# KiCad board LTC6811_ESP32_V2.kicad_pcb (continued)
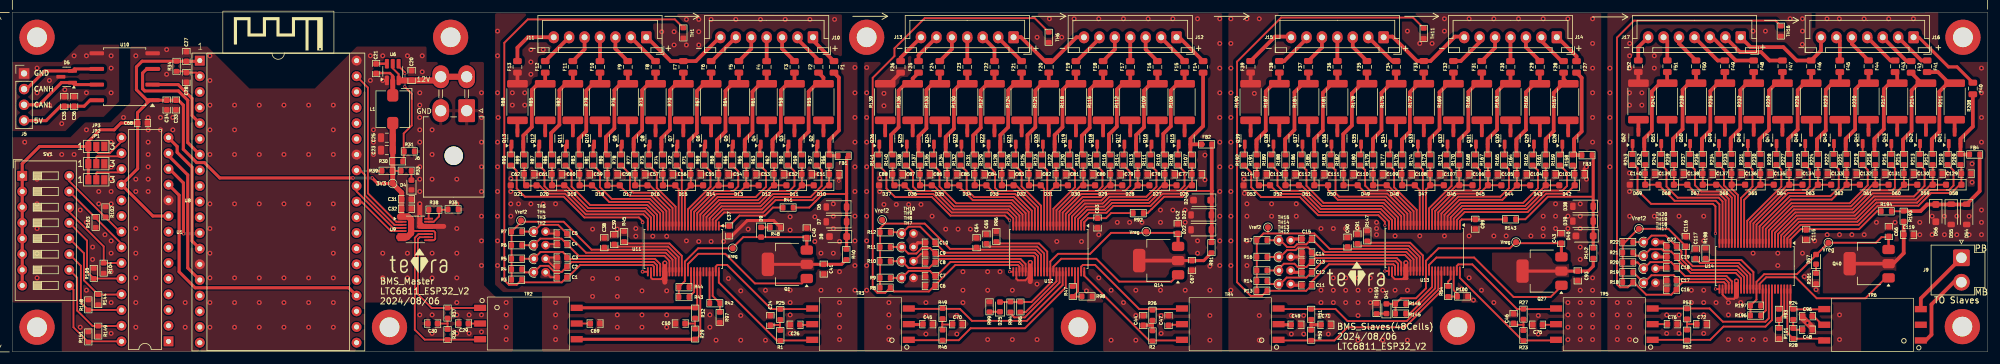
[diagram p0: board, top side]
## Library data of the parts (continued)
U11-U14 = -: Datasheet: https://www.analog.com/media/en/technical-documentation/data-sheets/LTC6811-1-6811-2.pdf; Description: Battery Battery Monitor IC Multi-Chemistry 48-SSOP; MPN: LTC6811HG-1#3ZZPBF; Link: https://www.digikey.jp/en/products/detail/analog-devices-inc/LTC6811HG-1-3ZZPBF/9739208?s=N4IgTCBcDaIDIBUDCA2AHARgwCQOIFoMBiAZgC0yAFAIQDEQBdAXyA; ki_fp_filters: SSOP*5.3x12.8mm*P0.5mm*

## Footprints (pads in the part's own frame, mm; a bottom-side part is the same pattern mirrored in y, then rotated)
C_0603_1608Metric
  rrect 0.9x0.95 smd: 1(-0.775,0) 2(0.775,0)
C_0805_2012Metric
  rrect 1x1.45 smd: 1(-0.95,0) 2(0.95,0)
D_SOD-123
  rrect 0.9x1.2 smd: 1(-1.65,0) 2(1.65,0)
D_SOD-123F
  rrect 1.1x1.1 smd: 1(-1.4,0) 2(1.4,0)
D_SOD-323_HandSoldering
  rrect 1x1 smd: 1(-1.25,0) 2(1.25,0)
DIP-28_W7.62mm
  rect 1.6x1.6 hole 0.8: 1(0,0)
  oval 1.6x1.6 hole 0.8: 2(0,-2.54) 3(0,-5.08) 4(0,-7.62) 5(0,-10.16) 6(0,-12.7) 7(0,-15.24) 8(0,-17.78) 9(0,-20.32) 10(0,-22.86) 11(0,-25.4) 12(0,-27.94) 13(0,-30.48) 14(0,-33.02) 15(7.62,-33.02) 16(7.62,-30.48) 17(7.62,-27.94) 18(7.62,-25.4) 19(7.62,-22.86) 20(7.62,-20.32) 21(7.62,-17.78) 22(7.62,-15.24) 23(7.62,-12.7) 24(7.62,-10.16) 25(7.62,-7.62) 26(7.62,-5.08) 27(7.62,-2.54) 28(7.62,0)
ESP32-DevKitc V4_DIP-38_27.9mm×48.2mm
  rect 1.6x1.6 hole 0.8: 1(1.27,46.99)
  oval 1.6x1.6 hole 0.8: 2(1.27,44.45) 3(1.27,41.91) 4(1.27,39.37) 5(1.27,36.83) 6(1.27,34.29) 7(1.27,31.75) 8(1.27,29.21) 9(1.27,26.67) 10(1.27,24.13) 11(1.27,21.59) 12(1.27,19.05) 13(1.27,16.51) 14(1.27,13.97) 15(1.27,11.43) 16(1.27,8.89) 17(1.27,6.35) 18(1.27,3.81) 19(1.27,1.27) 20(26.67,1.27) 21(26.67,3.81) 22(26.67,6.35) 23(26.67,8.89) 24(26.67,11.43) 25(26.67,13.97) 26(26.67,16.51) 27(26.67,19.05) 28(26.67,21.59) 29(26.67,24.13) 30(26.67,26.67) 31(26.67,29.21) 32(26.67,31.75) 33(26.67,34.29) 34(26.67,36.83) 35(26.67,39.37) 36(26.67,41.91) 37(26.67,44.45) 38(26.67,46.99)
Fuse_0805_2012Metric
  rrect 0.975x1.4 smd: 1(-0.938,0) 2(0.938,0)
HM2108NL
  rect 1.02x1.95 smd: 1(-2.54,-7.82) 2(0,-7.82) 3(2.54,-7.82) 4(2.54,7.82) 5(0,7.82) 6(-2.54,7.82)
JST_VH_B2P-VH-B_1x02_P3.96mm_Vertical
  rrect 2.7x2.7 hole 1.7: 1(0,0)
  round 2.7 hole 1.7: 2(3.96,0)
JST_XH_B7B-XH-A_1x07_P2.50mm_Vertical_BAT_6S
  oval 1.7x1.95 hole 0.95: 0(15,0) 1(12.5,0) 2(10,0) 3(7.5,0) 4(5,0) 5(2.5,0)
  rrect 1.7x1.95 hole 0.95: 6(0,0)
L_Bourns_SRP5030T
  rrect 2x1.8 smd: 1(-2.25,0) 2(2.25,0)
LED_0603_1608Metric
  rrect 0.875x0.95 smd: 1(-0.787,0) 2(0.787,0)
Molex_Mini-Fit_Jr_5569-04A2_2x02_P4.20mm_Horizontal
  round 3 hole 3 unplated: (2.1,7.3)
  rrect 2.7x3.7 hole 1.8: 1(0,0)
  oval 2.7x3.7 hole 1.8: 2(4.2,0) 3(0,-5.5) 4(4.2,-5.5)
MountingHole_3.2mm_M3_ISO7380_Pad
  round 5.7 hole 3.2: 1(0,0)
MSOP-16_3x4mm_P0.5mm
  rrect 1.45x0.3 smd: 1(-2.15,1.75) 2(-2.15,1.25) 3(-2.15,0.75) 4(-2.15,0.25) 5(-2.15,-0.25) 6(-2.15,-0.75) 7(-2.15,-1.25) 8(-2.15,-1.75) 9(2.15,-1.75) 10(2.15,-1.25) 11(2.15,-0.75) 12(2.15,-0.25) 13(2.15,0.25) 14(2.15,0.75) 15(2.15,1.25) 16(2.15,1.75)
PinHeader_1x04_P2.54mm_Vertical
  rect 1.7x1.7 hole 1: 1(0,0)
  oval 1.7x1.7 hole 1: 2(0,-2.54) 3(0,-5.08) 4(0,-7.62)
R_0603_1608Metric
  rrect 0.8x0.95 smd: 1(-0.825,0) 2(0.825,0)
R_2512_6332Metric
  rrect 1.225x3.35 smd: 1(-2.962,0) 2(2.962,0)
R_Axial_DIN0204_L3.6mm_D1.6mm_P1.90mm_Vertical
  round 1.4 hole 0.7: 1(0,0)
  oval 1.4x1.4 hole 0.7: 2(1.9,0)
SolderJumper-3_P1.3mm_Open_Pad1.0x1.5mm_NumberLabels
  rect 1x1.5 smd: 1(-1.3,0) 2(0,0) 3(1.3,0)
SOP-8_6.62x9.15mm_P2.54mm
  rrect 2.35x0.65 smd: 1(-4.525,3.81) 2(-4.525,1.27) 3(-4.525,-1.27) 4(-4.525,-3.81) 5(4.525,-3.81) 6(4.525,-1.27) 7(4.525,1.27) 8(4.525,3.81)
SOT-23
  rrect 1.475x0.6 smd: 1(-0.938,0.95) 2(-0.938,-0.95) 3(0.938,0)
SOT-23-6_Handsoldering
  rrect 1.56x0.65 smd: 1(-1.35,0.95) 2(-1.35,0) 3(-1.35,-0.95) 4(1.35,-0.95) 5(1.35,0) 6(1.35,0.95)
SOT-223
  rrect 2x1.5 smd: 1(-3.15,2.3) 2(-3.15,0) 3(-3.15,-2.3)
  rrect 2x3.8 smd: 4(3.15,0)
SW_DIP_SPSTx08_Slide_9.78x22.5mm_W7.62mm_P2.54mm
  rect 1.6x1.6 hole 0.8: 1(0,0)
  oval 1.6x1.6 hole 0.8: 2(0,-2.54) 3(0,-5.08) 4(0,-7.62) 5(0,-10.16) 6(0,-12.7) 7(0,-15.24) 8(0,-17.78) 9(7.62,-17.78) 10(7.62,-15.24) 11(7.62,-12.7) 12(7.62,-10.16) 13(7.62,-7.62) 14(7.62,-5.08) 15(7.62,-2.54) 16(7.62,0)
TestPoint_Pad_D1.0mm
  round 1 smd: 1(0,0)
TSSOP-48_6.1x12.5mm_P0.5mm
  rrect 1.475x0.3 smd: 1(-3.712,5.75) 2(-3.712,5.25) 3(-3.712,4.75) 4(-3.712,4.25) 5(-3.712,3.75) 6(-3.712,3.25) 7(-3.712,2.75) 8(-3.712,2.25) 9(-3.712,1.75) 10(-3.712,1.25) 11(-3.712,0.75) 12(-3.712,0.25) 13(-3.712,-0.25) 14(-3.712,-0.75) 15(-3.712,-1.25) 16(-3.712,-1.75) 17(-3.712,-2.25) 18(-3.712,-2.75) 19(-3.712,-3.25) 20(-3.712,-3.75) 21(-3.712,-4.25) 22(-3.712,-4.75) 23(-3.712,-5.25) 24(-3.712,-5.75) 25(3.712,-5.75) 26(3.712,-5.25) 27(3.712,-4.75) 28(3.712,-4.25) 29(3.712,-3.75) 30(3.712,-3.25) 31(3.712,-2.75) 32(3.712,-2.25) 33(3.712,-1.75) 34(3.712,-1.25) 35(3.712,-0.75) 36(3.712,-0.25) 37(3.712,0.25) 38(3.712,0.75) 39(3.712,1.25) 40(3.712,1.75) 41(3.712,2.25) 42(3.712,2.75) 43(3.712,3.25) 44(3.712,3.75) 45(3.712,4.25) 46(3.712,4.75) 47(3.712,5.25) 48(3.712,5.75)

## Nets
+3V3: C23.1 C25.1 C27.2 C31.2 C32.1 C33.1 C34.1 C68.2 JP1.1 JP2.1 JP3.1 L1.2 R30.2 R33.2 R34.1 R39.1 SW1.1 SW1.2 SW1.3 SW1.4 SW1.5 SW1.6 SW1.7 SW1.8 TP2.1 U1.9 U1.18 U8.1 U9.1 U9.6 U9.7 U9.8 U9.9 U9.12 U10.1
/CAN/5V_CAN: C35.1 C36.2 J5.4 U10.8
/MCU/5V: U8.19
/PowerSupply/+12V: C20.1 J6.3 J6.4 U6.3 U6.5
GND: C20.2 C23.2 C25.2 C27.1 C28.1 C29.2 C30.1 C31.1 C32.2 C33.2 C34.2 C68.1 D4.1 J6.1 J6.2 JP1.3 JP2.3 JP3.3 R31.2 R35.1 R102.1 R103.1 R104.1 R105.1 R144.1 R148.1 R149.1 R151.1 U1.10 U6.1 U8.14 U8.32 U8.38 U9.13 U9.14 U10.4
GND_PACK: C1.2 C2.2 C3.2 C4.2 C5.2 C6.2 C7.2 C8.2 C9.2 C10.2 C11.2 C12.2 C13.2 C14.2 C15.2 C16.2 C17.2 C18.2 C19.2 C22.2 C24.2 C26.2 C37.2 C38.2 C39.2 C40.2 C41.2 C42.2 C43.2 C44.2 C45.2 C46.2 C47.2 C48.2 C49.2 C50.2 C51.2 C52.2 C53.2 C54.2 C55.2 C56.2 C57.2 C58.2 C59.2 C60.2 C61.2 C62.2 C63.2 C64.2 C65.2 C66.2 C67.2 C69.1 C70.2 C71.2 C72.2 C75.2 C76.2 C77.2 C78.2 C79.2 C80.2 C81.2 C82.2 C83.2 C84.2 C85.2 C86.2 C87.2 C88.2 C89.2 C90.2 C91.2 C93.2 C96.2 C103.2 C104.2 C105.2 C106.2 C107.2 C108.2 C109.2 C110.2 C111.2 C112.2 C113.2 C114.2 C115.2 C116.2 C117.2 C119.2 C129.2 C130.2 C131.2 C132.2 C133.2 C134.2 C135.2 C136.2 C137.2 C138.2 C139.2 C140.2 D6.2 D7.2 D8.2 D21.2 D22.2 D23.2 D24.2 D37.2 D38.2 D39.2 D40.2 D53.2 D54.2 D55.2 D56.2 D69.2 F13.2 F26.2 F39.2 F52.2 R45.2 R48.2 R88.1 R96.2 R97.2 R98.2 R99.2 R100.2 R101.2 R139.1 R147.2 R150.2 R190.1 R198.2 R201.2 R241.1 TH1.2 TH2.2 TH3.2 TH4.2 TH5.2 TH6.2 TH7.2 TH8.2 TH9.2 TH10.2 TH11.2 TH12.2 TH13.2 TH14.2 TH15.2 TH16.2 TH17.2 TH18.2 TH19.2 TH20.2 U11.26 U11.30 U11.31 U12.26 U12.30 U12.31 U13.26 U13.30 U13.31 U14.26 U14.30 U14.31
/CAN/CAN_GND: C35.2 C36.1 D5.3 J5.1 U10.5
/CAN/CANH: D5.2 J5.2 U10.6
/CAN/CANL: D5.1 J5.3 U10.7
/CAN/RXD: U8.5 U10.2
/CAN/TXD: U8.7 U10.3
/MCU/HSPI_CS: U1.11 U8.23
/MCU/HSPI_MISO: U1.14 U8.13
/MCU/HSPI_MOSI: U1.13 U8.15
/MCU/HSPI_SCK: U1.12 U8.12
/MCU/IM: R37.1 TR2.1 U9.10
/MCU/INTA: U1.20
/MCU/INTB: U1.19
/MCU/IP: R36.2 TR2.3 U9.11
/MCU/NRST: C28.2 R34.2 U8.2
/MCU/VSPI_CS: U8.29 U9.5
/MCU/VSPI_MISO: R39.2 U8.31 U9.3
/MCU/VSPI_MOSI: U8.37 U9.2
/MCU/VSPI_SCK: U8.30 U9.4
/Slaves/LTC6811_1/BAT+: D6.1 D7.1 D8.1 FB1.1 R40.1 R41.1
/Slaves/LTC6811_1/C1: F12.1 J11.1
/Slaves/LTC6811_1/C1_G: F13.1 J11.0
/Slaves/LTC6811_1/C2: F11.1 J11.2
/Slaves/LTC6811_1/C3: F10.1 J11.3
/Slaves/LTC6811_1/C4: F9.1 J11.4
/Slaves/LTC6811_1/C5: F8.1 J11.5
/Slaves/LTC6811_1/C6: F7.1 J10.0 J11.6
/Slaves/LTC6811_1/C7: F6.1 J10.1
/Slaves/LTC6811_1/C8: F5.1 J10.2
/Slaves/LTC6811_1/C9: F4.1 J10.3
/Slaves/LTC6811_1/C10: F3.1 J10.4
/Slaves/LTC6811_1/C11: F2.1 J10.5
/Slaves/LTC6811_1/C12: F1.1 J10.6
/Slaves/LTC6811_1/cell1/C: C62.1 D20.2 D21.1 R89.1 U11.24
/Slaves/LTC6811_1/cell1/C+: F12.2 Q13.2 R85.1 R89.2
/Slaves/LTC6811_1/cell1/S: R90.1 U11.25
/Slaves/LTC6811_1/cell2/C: C61.1 D19.2 D20.1 R86.1 U11.22
/Slaves/LTC6811_1/cell2/C+: F11.2 Q12.2 R82.1 R86.2
/Slaves/LTC6811_1/cell2/S: R87.1 U11.23
/Slaves/LTC6811_1/cell3/C: C60.1 D18.2 D19.1 R83.1 U11.20
/Slaves/LTC6811_1/cell3/C+: F10.2 Q11.2 R79.1 R83.2
/Slaves/LTC6811_1/cell3/S: R84.1 U11.21
/Slaves/LTC6811_1/cell4/C: C59.1 D17.2 D18.1 R80.1 U11.18
/Slaves/LTC6811_1/cell4/C+: F9.2 Q10.2 R76.1 R80.2
/Slaves/LTC6811_1/cell4/S: R81.1 U11.19
/Slaves/LTC6811_1/cell5/C: C58.1 D16.2 D17.1 R77.1 U11.16
/Slaves/LTC6811_1/cell5/C+: F8.2 Q9.2 R73.1 R77.2
/Slaves/LTC6811_1/cell5/S: R78.1 U11.17
/Slaves/LTC6811_1/cell6/C: C57.1 D15.2 D16.1 R74.1 U11.14
/Slaves/LTC6811_1/cell6/C+: F7.2 Q8.2 R70.1 R74.2
/Slaves/LTC6811_1/cell6/S: R75.1 U11.15
/Slaves/LTC6811_1/cell7/C: C56.1 D14.2 D15.1 R71.1 U11.12
/Slaves/LTC6811_1/cell7/C+: F6.2 Q7.2 R67.1 R71.2
/Slaves/LTC6811_1/cell7/S: R72.1 U11.13
/Slaves/LTC6811_1/cell8/C: C55.1 D13.2 D14.1 R68.1 U11.10
/Slaves/LTC6811_1/cell8/C+: F5.2 Q6.2 R64.1 R68.2
/Slaves/LTC6811_1/cell8/S: R69.1 U11.11
/Slaves/LTC6811_1/cell9/S: R66.1 U11.9
/Slaves/LTC6811_1/cell10/C: C53.1 D11.2 D12.1 R62.1 U11.6
/Slaves/LTC6811_1/cell10/C+: F3.2 Q4.2 R58.1 R62.2
/Slaves/LTC6811_1/cell10/C-: F4.2 Q5.2 R61.1 R65.2
/Slaves/LTC6811_1/cell10/CM: C54.1 D12.2 D13.1 R65.1 U11.8
/Slaves/LTC6811_1/cell10/S: R63.1 U11.7
/Slaves/LTC6811_1/cell11/C: C52.1 D10.2 D11.1 R59.1 U11.4
/Slaves/LTC6811_1/cell11/C+: F2.2 Q3.2 R55.1 R59.2
/Slaves/LTC6811_1/cell11/S: R60.1 U11.5
/Slaves/LTC6811_1/cell12/C: C51.1 D10.1 R56.1 U11.2
/Slaves/LTC6811_1/cell12/C+: F1.2 FB1.2 Q2.2 R56.2
/Slaves/LTC6811_1/cell12/S: R57.1 U11.3
/Slaves/LTC6811_1/DRIVE: Q1.1 U11.38
/Slaves/LTC6811_1/IMA: R32.1 TR2.6 U11.41
/Slaves/LTC6811_1/IMB: R25.1 TR3.4 U11.47
/Slaves/LTC6811_1/IPA: R29.2 TR2.4 U11.42
/Slaves/LTC6811_1/IPB: R1.2 TR3.6 U11.48
/Slaves/LTC6811_1/T1: C1.1 R3.2 TH1.1 U11.27
/Slaves/LTC6811_1/T2: C2.1 R4.1 TH2.1 U11.28
/Slaves/LTC6811_1/T3: C3.1 R5.1 TH3.1 U11.29
/Slaves/LTC6811_1/T4: C4.1 R6.1 TH4.1 U11.32
/Slaves/LTC6811_1/T5: C5.1 R7.1 TH5.1 U11.33
/Slaves/LTC6811_1/Vref2: C38.1 R3.1 R4.2 R5.2 R6.2 R7.2 TP4.1 U11.34
/Slaves/LTC6811_1/Vreg: C40.1 D9.2 Q1.3 R43.2 R44.2 TP3.1 U11.37
/Slaves/LTC6811_2/BAT+: D22.1 D23.1 D24.1 FB2.1 R91.1 R92.1
/Slaves/LTC6811_2/C1: F25.1 J13.1
/Slaves/LTC6811_2/C1_G: F26.1 J13.0
/Slaves/LTC6811_2/C2: F24.1 J13.2
/Slaves/LTC6811_2/C3: F23.1 J13.3
/Slaves/LTC6811_2/C4: F22.1 J13.4
/Slaves/LTC6811_2/C5: F21.1 J13.5
/Slaves/LTC6811_2/C6: F20.1 J12.0 J13.6
/Slaves/LTC6811_2/C7: F19.1 J12.1
/Slaves/LTC6811_2/C8: F18.1 J12.2
/Slaves/LTC6811_2/C9: F17.1 J12.3
/Slaves/LTC6811_2/C10: F16.1 J12.4
/Slaves/LTC6811_2/C11: F15.1 J12.5
/Slaves/LTC6811_2/C12: F14.1 J12.6
/Slaves/LTC6811_2/cell1/C: C88.1 D36.2 D37.1 R140.1 U12.24
/Slaves/LTC6811_2/cell1/C+: F25.2 Q26.2 R136.1 R140.2
/Slaves/LTC6811_2/cell1/S: R141.1 U12.25
/Slaves/LTC6811_2/cell2/C: C87.1 D35.2 D36.1 R137.1 U12.22
/Slaves/LTC6811_2/cell2/C+: F24.2 Q25.2 R133.1 R137.2
/Slaves/LTC6811_2/cell2/S: R138.1 U12.23
/Slaves/LTC6811_2/cell3/C: C86.1 D34.2 D35.1 R134.1 U12.20
/Slaves/LTC6811_2/cell3/C+: F23.2 Q24.2 R130.1 R134.2
/Slaves/LTC6811_2/cell3/S: R135.1 U12.21
/Slaves/LTC6811_2/cell4/C: C85.1 D33.2 D34.1 R131.1 U12.18
/Slaves/LTC6811_2/cell4/C+: F22.2 Q23.2 R127.1 R131.2
/Slaves/LTC6811_2/cell4/S: R132.1 U12.19
/Slaves/LTC6811_2/cell5/C: C84.1 D32.2 D33.1 R128.1 U12.16
/Slaves/LTC6811_2/cell5/C+: F21.2 Q22.2 R124.1 R128.2
/Slaves/LTC6811_2/cell5/S: R129.1 U12.17
/Slaves/LTC6811_2/cell6/C: C83.1 D31.2 D32.1 R125.1 U12.14
/Slaves/LTC6811_2/cell6/C+: F20.2 Q21.2 R121.1 R125.2
/Slaves/LTC6811_2/cell6/S: R126.1 U12.15
/Slaves/LTC6811_2/cell7/C: C82.1 D30.2 D31.1 R122.1 U12.12
/Slaves/LTC6811_2/cell7/C+: F19.2 Q20.2 R118.1 R122.2
/Slaves/LTC6811_2/cell7/S: R123.1 U12.13
/Slaves/LTC6811_2/cell8/C: C81.1 D29.2 D30.1 R119.1 U12.10
/Slaves/LTC6811_2/cell8/C+: F18.2 Q19.2 R115.1 R119.2
/Slaves/LTC6811_2/cell8/S: R120.1 U12.11
/Slaves/LTC6811_2/cell9/S: R117.1 U12.9
/Slaves/LTC6811_2/cell10/C: C79.1 D27.2 D28.1 R113.1 U12.6
/Slaves/LTC6811_2/cell10/C+: F16.2 Q17.2 R109.1 R113.2
/Slaves/LTC6811_2/cell10/C-: F17.2 Q18.2 R112.1 R116.2
/Slaves/LTC6811_2/cell10/CM: C80.1 D28.2 D29.1 R116.1 U12.8
/Slaves/LTC6811_2/cell10/S: R114.1 U12.7
/Slaves/LTC6811_2/cell11/C: C78.1 D26.2 D27.1 R110.1 U12.4
/Slaves/LTC6811_2/cell11/C+: F15.2 Q16.2 R106.1 R110.2
/Slaves/LTC6811_2/cell11/S: R111.1 U12.5
/Slaves/LTC6811_2/cell12/C: C77.1 D26.1 R107.1 U12.2
/Slaves/LTC6811_2/cell12/C+: F14.2 FB2.2 Q15.2 R107.2
/Slaves/LTC6811_2/cell12/S: R108.1 U12.3
/Slaves/LTC6811_2/DRIVE: Q14.1 U12.38
/Slaves/LTC6811_2/IMA: R49.1 TR3.3 U12.41
/Slaves/LTC6811_2/IMB: R26.1 TR4.4 U12.47
/Slaves/LTC6811_2/IPA: R46.2 TR3.1 U12.42
/Slaves/LTC6811_2/IPB: R2.2 TR4.6 U12.48
/Slaves/LTC6811_2/T1: C6.1 R8.2 TH6.1 U12.27
/Slaves/LTC6811_2/T2: C7.1 R9.1 TH7.1 U12.28
/Slaves/LTC6811_2/T3: C8.1 R10.1 TH8.1 U12.29
/Slaves/LTC6811_2/T4: C9.1 R11.1 TH9.1 U12.32
/Slaves/LTC6811_2/T5: C10.1 R12.1 TH10.1 U12.33
/Slaves/LTC6811_2/Vref2: C64.1 R8.1 R9.2 R10.2 R11.2 R12.2 TP6.1 U12.34
/Slaves/LTC6811_2/Vreg: C42.1 D25.2 Q14.3 R94.2 R95.2 TP5.1 U12.37
/Slaves/LTC6811_3/BAT+: D38.1 D39.1 D40.1 FB3.1 R142.1 R143.1
/Slaves/LTC6811_3/C1: F38.1 J15.1
/Slaves/LTC6811_3/C1_G: F39.1 J15.0
/Slaves/LTC6811_3/C2: F37.1 J15.2
/Slaves/LTC6811_3/C3: F36.1 J15.3
/Slaves/LTC6811_3/C4: F35.1 J15.4
/Slaves/LTC6811_3/C5: F34.1 J15.5
/Slaves/LTC6811_3/C6: F33.1 J14.0 J15.6
/Slaves/LTC6811_3/C7: F32.1 J14.1
/Slaves/LTC6811_3/C8: F31.1 J14.2
/Slaves/LTC6811_3/C9: F30.1 J14.3
/Slaves/LTC6811_3/C10: F29.1 J14.4
/Slaves/LTC6811_3/C11: F28.1 J14.5
/Slaves/LTC6811_3/C12: F27.1 J14.6
/Slaves/LTC6811_3/cell1/C: C114.1 D52.2 D53.1 R191.1 U13.24
/Slaves/LTC6811_3/cell1/C+: F38.2 Q39.2 R187.1 R191.2
/Slaves/LTC6811_3/cell1/S: R192.1 U13.25
/Slaves/LTC6811_3/cell2/C: C113.1 D51.2 D52.1 R188.1 U13.22
/Slaves/LTC6811_3/cell2/C+: F37.2 Q38.2 R184.1 R188.2
/Slaves/LTC6811_3/cell2/S: R189.1 U13.23
/Slaves/LTC6811_3/cell3/C: C112.1 D50.2 D51.1 R185.1 U13.20
/Slaves/LTC6811_3/cell3/C+: F36.2 Q37.2 R181.1 R185.2
/Slaves/LTC6811_3/cell3/S: R186.1 U13.21
/Slaves/LTC6811_3/cell4/C: C111.1 D49.2 D50.1 R182.1 U13.18
/Slaves/LTC6811_3/cell4/C+: F35.2 Q36.2 R178.1 R182.2
/Slaves/LTC6811_3/cell4/S: R183.1 U13.19
/Slaves/LTC6811_3/cell5/C: C110.1 D48.2 D49.1 R179.1 U13.16
/Slaves/LTC6811_3/cell5/C+: F34.2 Q35.2 R175.1 R179.2
/Slaves/LTC6811_3/cell5/S: R180.1 U13.17
/Slaves/LTC6811_3/cell6/C: C109.1 D47.2 D48.1 R176.1 U13.14
/Slaves/LTC6811_3/cell6/C+: F33.2 Q34.2 R172.1 R176.2
/Slaves/LTC6811_3/cell6/S: R177.1 U13.15
/Slaves/LTC6811_3/cell7/C: C108.1 D46.2 D47.1 R173.1 U13.12
/Slaves/LTC6811_3/cell7/C+: F32.2 Q33.2 R169.1 R173.2
/Slaves/LTC6811_3/cell7/S: R174.1 U13.13
/Slaves/LTC6811_3/cell8/C: C107.1 D45.2 D46.1 R170.1 U13.10
/Slaves/LTC6811_3/cell8/C+: F31.2 Q32.2 R166.1 R170.2
/Slaves/LTC6811_3/cell8/S: R171.1 U13.11
/Slaves/LTC6811_3/cell9/S: R168.1 U13.9
/Slaves/LTC6811_3/cell10/C: C105.1 D43.2 D44.1 R164.1 U13.6
/Slaves/LTC6811_3/cell10/C+: F29.2 Q30.2 R160.1 R164.2
/Slaves/LTC6811_3/cell10/C-: F30.2 Q31.2 R163.1 R167.2
/Slaves/LTC6811_3/cell10/CM: C106.1 D44.2 D45.1 R167.1 U13.8
/Slaves/LTC6811_3/cell10/S: R165.1 U13.7
/Slaves/LTC6811_3/cell11/C: C104.1 D42.2 D43.1 R161.1 U13.4
/Slaves/LTC6811_3/cell11/C+: F28.2 Q29.2 R157.1 R161.2
/Slaves/LTC6811_3/cell11/S: R162.1 U13.5
/Slaves/LTC6811_3/cell12/C: C103.1 D42.1 R158.1 U13.2
/Slaves/LTC6811_3/cell12/C+: F27.2 FB3.2 Q28.2 R158.2
/Slaves/LTC6811_3/cell12/S: R159.1 U13.3
/Slaves/LTC6811_3/DRIVE: Q27.1 U13.38
/Slaves/LTC6811_3/IMA: R51.1 TR4.3 U13.41
/Slaves/LTC6811_3/IMB: R27.1 TR5.4 U13.47
/Slaves/LTC6811_3/IPA: R50.2 TR4.1 U13.42
/Slaves/LTC6811_3/IPB: R23.2 TR5.6 U13.48
/Slaves/LTC6811_3/T1: C11.1 R13.2 TH11.1 U13.27
/Slaves/LTC6811_3/T2: C12.1 R14.1 TH12.1 U13.28
/Slaves/LTC6811_3/T3: C13.1 R15.1 TH13.1 U13.29
/Slaves/LTC6811_3/T4: C14.1 R16.1 TH14.1 U13.32
/Slaves/LTC6811_3/T5: C15.1 R17.1 TH15.1 U13.33
/Slaves/LTC6811_3/Vref2: C90.1 R13.1 R14.2 R15.2 R16.2 R17.2 TP8.1 U13.34
/Slaves/LTC6811_3/Vreg: C43.1 D41.2 Q27.3 R145.2 R146.2 TP7.1 U13.37
/Slaves/LTC6811_4/BAT+: D54.1 D55.1 D56.1 FB4.1 R193.1 R194.1
/Slaves/LTC6811_4/C1: F51.1 J17.1
/Slaves/LTC6811_4/C1_G: F52.1 J17.0
/Slaves/LTC6811_4/C2: F50.1 J17.2
/Slaves/LTC6811_4/C3: F49.1 J17.3
/Slaves/LTC6811_4/C4: F48.1 J17.4
/Slaves/LTC6811_4/C5: F47.1 J17.5
/Slaves/LTC6811_4/C6: F46.1 J16.0 J17.6
/Slaves/LTC6811_4/C7: F45.1 J16.1
/Slaves/LTC6811_4/C8: F44.1 J16.2
/Slaves/LTC6811_4/C9: F43.1 J16.3
/Slaves/LTC6811_4/C10: F42.1 J16.4
/Slaves/LTC6811_4/C11: F41.1 J16.5
/Slaves/LTC6811_4/C12: F40.1 J16.6
/Slaves/LTC6811_4/cell1/C: C140.1 D68.2 D69.1 R242.1 U14.24
/Slaves/LTC6811_4/cell1/C+: F51.2 Q52.2 R238.1 R242.2
/Slaves/LTC6811_4/cell1/S: R243.1 U14.25
/Slaves/LTC6811_4/cell2/C: C139.1 D67.2 D68.1 R239.1 U14.22
/Slaves/LTC6811_4/cell2/C+: F50.2 Q51.2 R235.1 R239.2
/Slaves/LTC6811_4/cell2/S: R240.1 U14.23
/Slaves/LTC6811_4/cell3/C: C138.1 D66.2 D67.1 R236.1 U14.20
/Slaves/LTC6811_4/cell3/C+: F49.2 Q50.2 R232.1 R236.2
/Slaves/LTC6811_4/cell3/S: R237.1 U14.21
/Slaves/LTC6811_4/cell4/C: C137.1 D65.2 D66.1 R233.1 U14.18
/Slaves/LTC6811_4/cell4/C+: F48.2 Q49.2 R229.1 R233.2
/Slaves/LTC6811_4/cell4/S: R234.1 U14.19
/Slaves/LTC6811_4/cell5/C: C136.1 D64.2 D65.1 R230.1 U14.16
/Slaves/LTC6811_4/cell5/C+: F47.2 Q48.2 R226.1 R230.2
/Slaves/LTC6811_4/cell5/S: R231.1 U14.17
/Slaves/LTC6811_4/cell6/C: C135.1 D63.2 D64.1 R227.1 U14.14
/Slaves/LTC6811_4/cell6/C+: F46.2 Q47.2 R223.1 R227.2
/Slaves/LTC6811_4/cell6/S: R228.1 U14.15
/Slaves/LTC6811_4/cell7/C: C134.1 D62.2 D63.1 R224.1 U14.12
/Slaves/LTC6811_4/cell7/C+: F45.2 Q46.2 R220.1 R224.2
/Slaves/LTC6811_4/cell7/S: R225.1 U14.13
/Slaves/LTC6811_4/cell8/C: C133.1 D61.2 D62.1 R221.1 U14.10
/Slaves/LTC6811_4/cell8/C+: F44.2 Q45.2 R217.1 R221.2
/Slaves/LTC6811_4/cell8/S: R222.1 U14.11
/Slaves/LTC6811_4/cell9/S: R219.1 U14.9
/Slaves/LTC6811_4/cell10/C: C131.1 D59.2 D60.1 R215.1 U14.6
/Slaves/LTC6811_4/cell10/C+: F42.2 Q43.2 R211.1 R215.2
/Slaves/LTC6811_4/cell10/C-: F43.2 Q44.2 R214.1 R218.2
/Slaves/LTC6811_4/cell10/CM: C132.1 D60.2 D61.1 R218.1 U14.8
/Slaves/LTC6811_4/cell10/S: R216.1 U14.7
/Slaves/LTC6811_4/cell11/C: C130.1 D58.2 D59.1 R212.1 U14.4
/Slaves/LTC6811_4/cell11/C+: F41.2 Q42.2 R208.1 R212.2
/Slaves/LTC6811_4/cell11/S: R213.1 U14.5
/Slaves/LTC6811_4/cell12/C: C129.1 D58.1 R209.1 U14.2
/Slaves/LTC6811_4/cell12/C+: F40.2 FB4.2 Q41.2 R209.2
/Slaves/LTC6811_4/cell12/S: R210.1 U14.3
/Slaves/LTC6811_4/DRIVE: Q40.1 U14.38
/Slaves/LTC6811_4/IMA: R53.1 TR5.3 U14.41
/Slaves/LTC6811_4/IMB: R28.1 TR6.6 U14.47
/Slaves/LTC6811_4/IPA: R52.2 TR5.1 U14.42
/Slaves/LTC6811_4/IPB: R24.2 TR6.4 U14.48
/Slaves/LTC6811_4/T1: C16.1 R18.2 TH16.1 U14.27
/Slaves/LTC6811_4/T2: C17.1 R19.1 TH17.1 U14.28
/Slaves/LTC6811_4/T3: C18.1 R20.1 TH18.1 U14.29
/Slaves/LTC6811_4/T4: C19.1 R21.1 TH19.1 U14.32
/Slaves/LTC6811_4/T5: C22.1 R22.1 TH20.1 U14.33
/Slaves/LTC6811_4/Vref2: C116.1 R18.1 R19.2 R20.2 R21.2 R22.2 TP10.1 U14.34
/Slaves/LTC6811_4/Vreg: C66.1 D57.2 Q40.3 R196.2 R197.2 TP9.1 U14.37
/Slaves/MB: J9.2 TR6.1
/Slaves/PB: J9.1 TR6.3
Net-(C24-Pad1): C24.1 R1.1 R25.2
Net-(C26-Pad1): C26.1 TR3.5
Net-(C29-Pad1): C29.1 TR2.2
Net-(C30-Pad2): C30.2 R36.1 R37.2
Net-(C41-Pad1): C41.1 Q1.2 Q1.4 R40.2
Net-(C44-Pad1): C44.1 R2.1 R26.2
Net-(C45-Pad1): C45.1 TR3.2
Net-(C46-Pad1): C46.1 R23.1 R27.2
Net-(C47-Pad1): C47.1 TR4.5
Net-(C48-Pad1): C48.1 R24.1 R28.2
Net-(C49-Pad1): C49.1 TR4.2
Net-(C50-Pad1): C50.1 R29.1 R32.2
Net-(C67-Pad1): C67.1 Q14.2 Q14.4 R91.2
Net-(C69-Pad2): C69.2 TR2.5
Net-(C70-Pad1): C70.1 R46.1 R49.2
Net-(C71-Pad1): C71.1 R50.1 R51.2
Net-(C72-Pad1): C72.1 R52.1 R53.2
Net-(C75-Pad1): C75.1 TR5.5
Net-(C76-Pad1): C76.1 TR5.2
Net-(C93-Pad1): C93.1 Q27.2 Q27.4 R142.2
Net-(C96-Pad1): C96.1 TR6.5
Net-(C119-Pad1): C119.1 Q40.2 Q40.4 R193.2
Net-(D4-A): D4.2 R33.1
Net-(D9-K): D9.1 R48.1
Net-(D25-K): D25.1 R99.1
Net-(D41-K): D41.1 R150.1
Net-(D57-K): D57.1 R201.1
Net-(JP1-C): JP1.2 U1.17
Net-(JP2-C): JP2.2 U1.16
Net-(JP3-C): JP3.2 U1.15
Net-(Q2-D): Q2.3 R55.2
Net-(Q2-G): Q2.1 R57.2
Net-(Q3-D): Q3.3 R58.2
Net-(Q3-G): Q3.1 R60.2
Net-(Q4-D): Q4.3 R61.2
Net-(Q4-G): Q4.1 R63.2
Net-(Q5-D): Q5.3 R64.2
Net-(Q5-G): Q5.1 R66.2
Net-(Q6-D): Q6.3 R67.2
Net-(Q6-G): Q6.1 R69.2
Net-(Q7-D): Q7.3 R70.2
Net-(Q7-G): Q7.1 R72.2
Net-(Q8-D): Q8.3 R73.2
Net-(Q8-G): Q8.1 R75.2
Net-(Q9-D): Q9.3 R76.2
Net-(Q9-G): Q9.1 R78.2
Net-(Q10-D): Q10.3 R79.2
Net-(Q10-G): Q10.1 R81.2
Net-(Q11-D): Q11.3 R82.2
Net-(Q11-G): Q11.1 R84.2
Net-(Q12-D): Q12.3 R85.2
Net-(Q12-G): Q12.1 R87.2
Net-(Q13-D): Q13.3 R88.2
Net-(Q13-G): Q13.1 R90.2
Net-(Q15-D): Q15.3 R106.2
Net-(Q15-G): Q15.1 R108.2
Net-(Q16-D): Q16.3 R109.2
Net-(Q16-G): Q16.1 R111.2
Net-(Q17-D): Q17.3 R112.2
Net-(Q17-G): Q17.1 R114.2
Net-(Q18-D): Q18.3 R115.2
Net-(Q18-G): Q18.1 R117.2
Net-(Q19-D): Q19.3 R118.2
Net-(Q19-G): Q19.1 R120.2
Net-(Q20-D): Q20.3 R121.2
Net-(Q20-G): Q20.1 R123.2
Net-(Q21-D): Q21.3 R124.2
Net-(Q21-G): Q21.1 R126.2
Net-(Q22-D): Q22.3 R127.2
Net-(Q22-G): Q22.1 R129.2
Net-(Q23-D): Q23.3 R130.2
Net-(Q23-G): Q23.1 R132.2
Net-(Q24-D): Q24.3 R133.2
Net-(Q24-G): Q24.1 R135.2
Net-(Q25-D): Q25.3 R136.2
Net-(Q25-G): Q25.1 R138.2
Net-(Q26-D): Q26.3 R139.2
Net-(Q26-G): Q26.1 R141.2
Net-(Q28-D): Q28.3 R157.2
Net-(Q28-G): Q28.1 R159.2
Net-(Q29-D): Q29.3 R160.2
Net-(Q29-G): Q29.1 R162.2
Net-(Q30-D): Q30.3 R163.2
Net-(Q30-G): Q30.1 R165.2
Net-(Q31-D): Q31.3 R166.2
Net-(Q31-G): Q31.1 R168.2
Net-(Q32-D): Q32.3 R169.2
Net-(Q32-G): Q32.1 R171.2
Net-(Q33-D): Q33.3 R172.2
Net-(Q33-G): Q33.1 R174.2
Net-(Q34-D): Q34.3 R175.2
Net-(Q34-G): Q34.1 R177.2
Net-(Q35-D): Q35.3 R178.2
Net-(Q35-G): Q35.1 R180.2
Net-(Q36-D): Q36.3 R181.2
Net-(Q36-G): Q36.1 R183.2
Net-(Q37-D): Q37.3 R184.2
Net-(Q37-G): Q37.1 R186.2
Net-(Q38-D): Q38.3 R187.2
Net-(Q38-G): Q38.1 R189.2
Net-(Q39-D): Q39.3 R190.2
Net-(Q39-G): Q39.1 R192.2
Net-(Q41-D): Q41.3 R208.2
Net-(Q41-G): Q41.1 R210.2
Net-(Q42-D): Q42.3 R211.2
Net-(Q42-G): Q42.1 R213.2
Net-(Q43-D): Q43.3 R214.2
Net-(Q43-G): Q43.1 R216.2
Net-(Q44-D): Q44.3 R217.2
Net-(Q44-G): Q44.1 R219.2
Net-(Q45-D): Q45.3 R220.2
Net-(Q45-G): Q45.1 R222.2
Net-(Q46-D): Q46.3 R223.2
Net-(Q46-G): Q46.1 R225.2
Net-(Q47-D): Q47.3 R226.2
Net-(Q47-G): Q47.1 R228.2
Net-(Q48-D): Q48.3 R229.2
Net-(Q48-G): Q48.1 R231.2
Net-(Q49-D): Q49.3 R232.2
Net-(Q49-G): Q49.1 R234.2
Net-(Q50-D): Q50.3 R235.2
Net-(Q50-G): Q50.1 R237.2
Net-(Q51-D): Q51.3 R238.2
Net-(Q51-G): Q51.1 R240.2
Net-(Q52-D): Q52.3 R241.2
Net-(Q52-G): Q52.1 R243.2
Net-(U1-GPA0): R102.2 SW1.16 U1.21
Net-(U1-GPA1): R103.2 SW1.15 U1.22
Net-(U1-GPA2): R104.2 SW1.14 U1.23
Net-(U1-GPA3): R105.2 SW1.13 U1.24
Net-(U1-GPA4): R144.2 SW1.12 U1.25
Net-(U1-GPA5): R148.2 SW1.11 U1.26
Net-(U1-GPA6): R149.2 SW1.10 U1.27
Net-(U1-GPA7): R151.2 SW1.9 U1.28
Net-(U6-CB): C21.2 U6.6
Net-(U6-FB): R30.1 R31.1 U6.4
Net-(U6-SW): C21.1 L1.1 U6.2
Net-(U9-IBIAS): R38.2 U9.16
Net-(U9-ICMP): R35.2 R38.1 U9.15
Net-(U11-DTEN): R45.1 U11.36
Net-(U11-IBIAS): R42.1 U11.45
Net-(U11-ICMP): R42.2 R97.1 U11.46
Net-(U11-ISOMD): R43.1 U11.40
Net-(U11-V+): C37.1 R41.2 U11.1
Net-(U11-Vref1): C39.1 U11.35
Net-(U11-WDT): R44.1 U11.39
Net-(U12-DTEN): R96.1 U12.36
Net-(U12-IBIAS): R47.1 U12.45
Net-(U12-ICMP): R47.2 R98.1 U12.46
Net-(U12-ISOMD): R94.1 U12.40
Net-(U12-V+): C63.1 R92.2 U12.1
Net-(U12-Vref1): C65.1 U12.35
Net-(U12-WDT): R95.1 U12.39
Net-(U13-DTEN): R147.1 U13.36
Net-(U13-IBIAS): R54.1 U13.45
Net-(U13-ICMP): R54.2 R100.1 U13.46
Net-(U13-ISOMD): R145.1 U13.40
Net-(U13-V+): C89.1 R143.2 U13.1
Net-(U13-Vref1): C91.1 U13.35
Net-(U13-WDT): R146.1 U13.39
Net-(U14-DTEN): R198.1 U14.36
Net-(U14-IBIAS): R93.1 U14.45
Net-(U14-ICMP): R93.2 R101.1 U14.46
Net-(U14-ISOMD): R196.1 U14.40
Net-(U14-V+): C115.1 R194.2 U14.1
Net-(U14-Vref1): C117.1 U14.35
Net-(U14-WDT): R197.1 U14.39

Pads without a net: J1 1; J2 1; J3 1; J4 1; J7 1; J8 1; J18 1; J19 1; J20 1; TR6 2; U1 1 2 3 4 5 6 7 8; U8 3 4 6 8 9 10 11 16 17 18 20 21 22 24 25 26 27 28 33 34 35 36; U11 43 44; U12 43 44; U13 43 44; U14 43 44

## Via types
v1: diameter 0.5, hole 0.3, Top to Bottom, 57 vias
v2: diameter 0.8, hole 0.4, Top to Bottom, 586 vias
v3: diameter 0.6, hole 0.3, Top to Bottom, 2 vias
